# Altium PCB PCB_V0.0.PcbDoc (part 1 of 2) (continued)
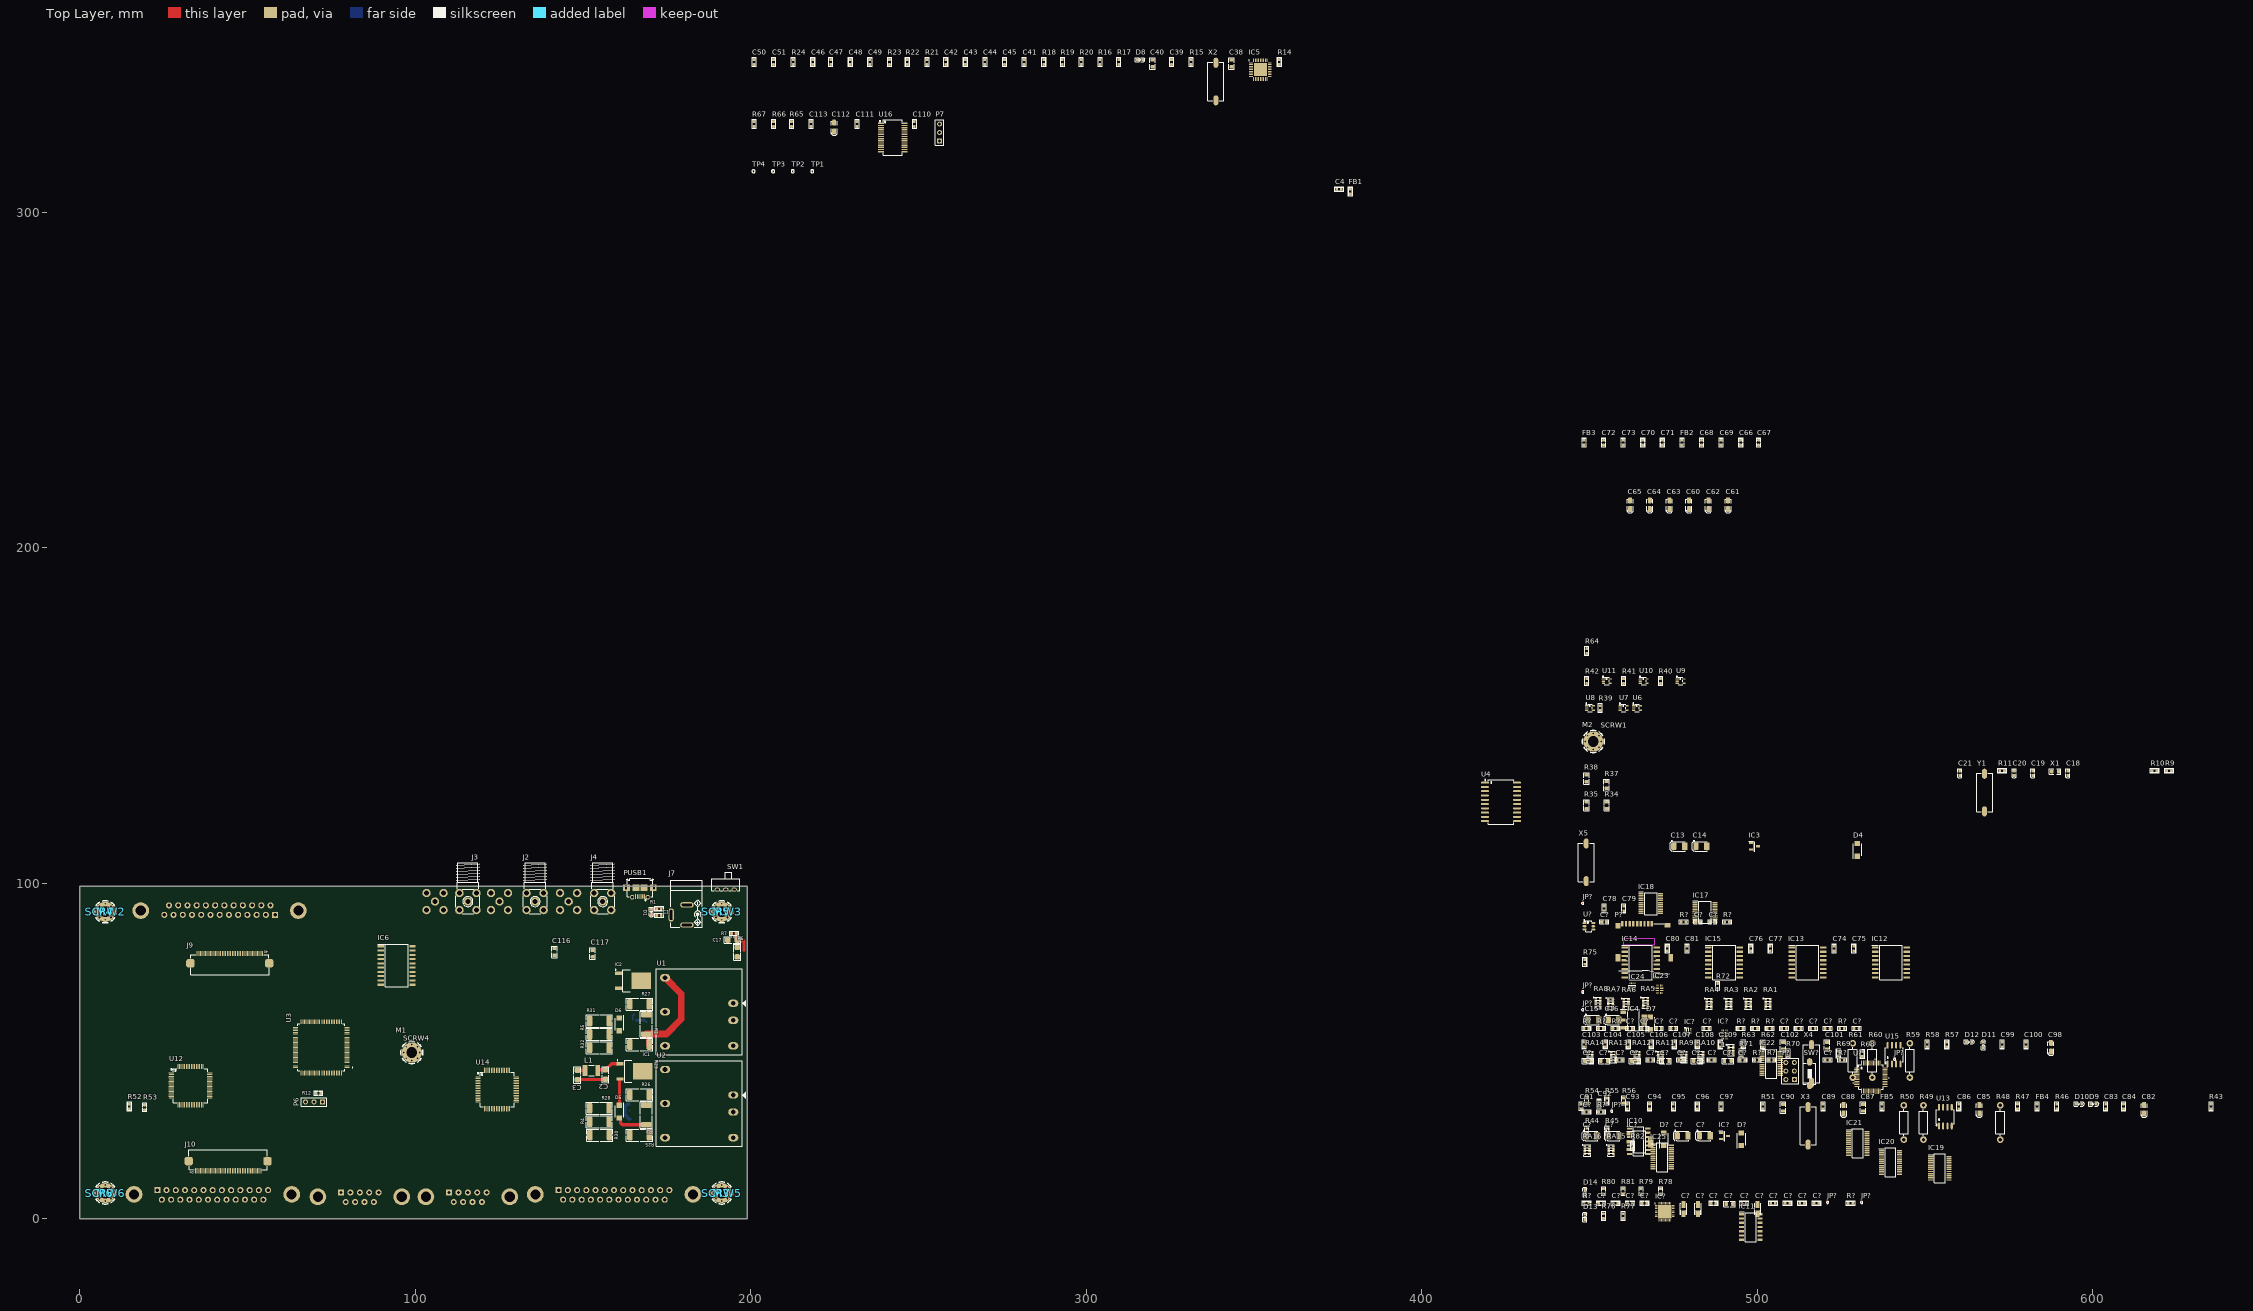
[diagram p0: Top Layer view]
## Components (designator, comment, footprint, x,y, rotation, side; value= is the part's Value field where it differs from the comment) (continued)
IC14 "ADUM1400BRWZ-RL" SOIC127P1032X265-16N 465.319,76.343 r0 top (schematic designator IC18)
IC15 "ADUM1400BRWZ-RL" SOIC127P1032X265-16N 490.186,76.343 r0 top (schematic designator IC20)
IC17 "TMUX1134PWR" SOP65P640X120-20N 484.458,91.281 r0 top (schematic designator IC24)
IC18 "TMUX1134PWR" SOP65P640X120-20N 468.334,93.881 r0 top (schematic designator IC23)
IC19 "SN74LVC8T245DBQR" SOP64P600X175-24N 554.482,14.986 r0 top (schematic designator IC25)
IC20 "SN74LVC8T245DBQR" SOP64P600X175-24N 539.75,16.764 r0 top (schematic designator IC27)
IC21 "SN74LVC8T245DBQR" SOP64P600X175-24N 530.016,22.416 r0 top (schematic designator IC28)
IC22 "SN74LVC8T245DBQR" SOP64P600X175-24N 504.19,46.202 r0 top (schematic designator IC26)
IC23 "TPS2121RUXR" TPS2121RUXR 470.958,68.342 r0 top (schematic designator IC8)
IC24 "TPS2116DRLR" SOTFL50P160X60-8N 462.83,69.358 r90 top (schematic designator IC10)
IC25 "SN74LVC8T245DBQR" SOP64P600X175-24N 471.72,18.304 r0 top (schematic designator IC29)
IC? "ALC5651-CGT" QFN40P500X500X90-41N-D 472.482,2.048 r0 top (schematic designator IC22)
IC? "TPS2116DRLR" SOTFL50P160X60-8N 479.34,55.896 r0 top (schematic designator IC9)
IC? "TPS2121RUXR" TPS2121RUXR 490.262,54.88 r0 top (schematic designator IC7)
IC? "MCP1700T-3302E_TT_1" SOT95P237X112-3N 490.262,24.654 r0 top (schematic designator IC6)
IC? "LD1117S18CTR" SOT230P700X180-4N 465.116,22.876 r0 top (schematic designator IC3)
J1 "Right Angel SMA" SMA_RA 145.732,94.5 r180 bottom (schematic designator J6)
J2 "Right Angel SMA" SMA_RA 135.748,94.5 r0 top (schematic designator J5)
J3 "Right Angel SMA" SMA_RA 115.721,94.5 r0 top (schematic designator J?)
J4 "Right Angel SMA" SMA_RA 155.896,94.5 r0 top (schematic designator J3)
J5 "Right Angel SMA" SMA_RA 125.142,94.5 r180 bottom (schematic designator J2)
J6 "Right Angel SMA" SMA_RA 105.927,94.5 r180 bottom (schematic designator J1)
J7 "DC_POWER_JACK" JAC_PWR2 181,87.5 r0 top locked
J9 "FPC50 40" FPC50_40 44.75,79 r180 top (schematic designator J8)
J10 "FPC50 40" FPC50_40 44.24,14.224 r0 top (schematic designator J9)
JP? "JMPSOLDER" JP_40X50 456.734,32.02 r90 top (schematic designator JP1)
JP? "JMPSOLDER" JP_40X50 531.156,4.842 r90 top (schematic designator JP6)
JP? "JMPSOLDER" JP_40X50 520.996,4.842 r90 top (schematic designator JP5)
JP? "JMPSOLDER" JP_40X50 541.062,47.514 r90 top (schematic designator JP7)
JP? "JMPSOLDER" JP_40X50 448.098,93.996 r90 top (schematic designator JP2)
JP? "JMPSOLDER" JP_40X50 448.098,67.58 r90 top (schematic designator JP4)
JP? "JMPSOLDER" JP_40X50 448.098,62.246 r90 top (schematic designator JP3)
L1 "Inductor SMD NC 1812" L1812 152.532,44.196 r180 top value=1uH (schematic designator L?)
L2 "CD43-4.7uH" CD43NP220MC 183.896,65.125 r0 bottom (schematic designator L?)
L3 "CD43-4.7uH" CD43NP220MC 183.388,39.116 r0 bottom (schematic designator L?)
M1 "DNP/MH" SCMH_M3#1 99,49.5 r0 top (schematic designator M6)
M2 "DNP/MH" SCMH_M3#2 451.19,142.202 r0 top (schematic designator M5)
M3 "DNP/MH" SCMH_M3#3 191.38,7.62 r0 top (schematic designator M4)
M4 "DNP/MH" SCMH_M3#1 7.62,91.44 r0 top (schematic designator M3)
M5 "DNP/MH" SCMH_M3#1 191.38,91.44 r0 top (schematic designator M?)
M6 "DNP/MH" SCMH_M3#1 7.62,7.62 r0 top (schematic designator M1)
P1 "DSUB_25RF" DSUB_25RF 39.688,7.2 r0 bottom
P2 "DSUB_25RF" DSUB_25RF 159.312,7.2 r0 bottom (schematic designator P3)
P3 "DSUB_25RF" DSUB_25RF 41.691,91.8 r180 bottom locked (schematic designator P5)
P4 "DSUB_9RF" DSUB_9RF 115.7,6.5 r0 bottom locked (schematic designator P?)
P5 "DSUB_9RF" DSUB_9RF 83.5,6.5 r0 bottom locked (schematic designator P?)
P6 "Header 3" "HDR 1X3" 72.39,34.798 r180 top
P7 "Header 3" "HDR 1X3" 256.328,321.199 r90 top
P? "Header 2x3" "HDR 2X3" 511.09,41.418 r90 top (schematic designator P9)
P? "ST-TF-003A_1" SUNTECH_ST-TF-003A 465.116,82.566 r0 top (schematic designator P8)
PUSB1 "CONN_USB_MICROAB_TM" USB_MICRO_AB_TM_SHT 167,96 r0 top
R1 "1K" R0603 172.682,92.366 r0 top (schematic designator R5)
R2 "30m" R2512 168.892,57.888 r90 top (schematic designator R4)
R3 "30m" R2512 168.892,30.888 r270 top
R4 "30m" R2512 154.892,28.888 r180 top (schematic designator R?)
R5 "30m" R2512 154.892,54.888 r0 top (schematic designator R2)
R6 "10K" R1206 196,79.4 r270 top (schematic designator R7)
R7 "10E" R0603 195,85 r0 top (schematic designator R6)
R9 "0R" R0603 622.749,133.493 r0 top (schematic designator R18)
R10 "0R" R0603 618.431,133.493 r0 top (schematic designator R19)
R11 "1M" R0603 572.99,133.493 r0 top (schematic designator R22)
R12 "10k" R0603 71.12,37.338 r180 top (schematic designator R20)
R14 "0R" R0603 357.547,344.719 r90 top value=100K (schematic designator R12)
R15 "1M" R0603 331.284,344.719 r90 top (schematic designator R32)
R16 "100K" R0603 304.106,344.719 r90 top (schematic designator R30)
R17 "330E" R0603 309.694,344.719 r90 top (schematic designator R31)
R18 "100K" R0603 287.342,344.719 r90 top (schematic designator R25)
R19 "100K" R0603 292.93,344.719 r90 top (schematic designator R26)
R20 "100K" R0603 298.518,344.719 r90 top (schematic designator R27)
R21 "100K" R0603 252.544,344.719 r90 top (schematic designator R24)
R22 "100K" R0603 246.702,344.719 r90 top (schematic designator R28)
R23 "12.0k    1%" R0603 241.368,344.719 r90 top
R24 "100K" R0603 212.666,344.719 r90 top (schematic designator R29)
R25 "10R" R2512 166.892,24.888 r0 top (schematic designator R36)
R26 "10R" R2512 166.892,36.888 r180 top (schematic designator R34)
R27 "10R" R2512 166.892,63.888 r0 top (schematic designator R38)
R28 "10R" R2512 154.892,32.888 r0 top (schematic designator R40)
R29 "10R" R2512 166.892,51.888 r180 top (schematic designator R37)
R30 "10R" R2512 154.992,24.888 r180 top (schematic designator R39)
R31 "10R" R2512 154.892,58.888 r180 top (schematic designator R35)
R32 "10R" R2512 154.892,50.888 r180 top (schematic designator R33)
R34 "0E" R0805 455.19,123.202 r90 top (schematic designator R42)
R35 "0E" R0805 449.19,123.202 r90 top (schematic designator R41)
R37 "10K" R0805 455.168,129.27 r90 top (schematic designator R44)
R38 "10K" R0805 449.19,131.202 r90 top (schematic designator R43)
R39 "10K" R0603 453.19,152.202 r90 top value=100K (schematic designator R13)
R40 "143E" R0603 471.19,160.202 r90 top (schematic designator R50)
R41 "143E" R0603 460.19,160.202 r90 top (schematic designator R49)
R42 "143E" R0603 449.19,160.202 r90 top (schematic designator R48)
R43 "0R" R0603 635.296,33.442 r90 top (schematic designator R51)
R44 "15K" R0603 449.19,26.202 r90 top (schematic designator R56)
R45 "15K" R0603 455.19,26.202 r90 top (schematic designator R57)
R46 "10E" R0603 589.297,33.442 r90 top (schematic designator R60)
R47 "10E" R0603 577.613,33.442 r90 top (schematic designator R59)
R48 "12K" R025W_AX04 572.482,28.642 r90 top value=10K (schematic designator R62)
R49 "12K" R025W_AX04 549.597,28.642 r90 top value="12K 1%" (schematic designator R58)
R50 "12K" R025W_AX04 543.755,28.642 r90 top value=2K (schematic designator R61)
R51 "15K" R0603 501.718,33.442 r90 top (schematic designator R?)
R52 "10K" R0603 14.769,33.43 r90 top
R53 "0R" R0603 19.341,33.176 r90 top (schematic designator R63)
R54 "15K" R0603 449.19,35.202 r90 top (schematic designator R68)
R55 "15K" R0603 455.19,35.202 r90 top (schematic designator R69)
R56 "15K" R0603 460.19,35.202 r90 top (schematic designator R70)
R57 "10E" R0603 556.531,51.933 r90 top (schematic designator R75)
R58 "10E" R0603 550.689,51.933 r90 top (schematic designator R74)
R59 "12K" R025W_AX04 545.558,47.133 r90 top value=10K (schematic designator R77)
R60 "12K" R025W_AX04 534.357,47.133 r90 top value="12K 1%" (schematic designator R73)
R61 "12K" R025W_AX04 528.515,47.133 r90 top value=2K (schematic designator R76)
R62 "15K" R0603 501.718,51.933 r90 top (schematic designator R67)
R63 "10K" R0603 495.876,51.933 r90 top (schematic designator R66)
R64 "0R" R0603 449.19,169.202 r90 top (schematic designator R78)
R65 "10K" R0603 212.158,326.228 r90 top (schematic designator R80)
R66 "10K" R0603 206.824,326.228 r90 top (schematic designator R79)
R67 "10K" R0603 200.982,326.228 r90 top (schematic designator R81)
R68 "10K" R0603 531.368,49.022 r90 top (schematic designator R84)
R69 "10K" R0603 524.19,49.202 r90 top (schematic designator R82)
R70 "10K" R0603 509.19,49.202 r90 top (schematic designator R85)
R71 "10K" R0603 495.19,49.202 r90 top (schematic designator R83)
R72 "10K" R0603 488.23,69.358 r90 top (schematic designator R16)
R75 "50E" R0603 448.606,76.47 r90 top (schematic designator R47)
R76 "10K" R0603 454.194,0.778 r90 top (schematic designator R54)
R77 "330E" R0603 460.036,0.778 r90 top (schematic designator R55)
R78 "15K" R0603 471.212,8.144 r90 top (schematic designator R64)
R79 "15K" R0603 465.37,8.144 r90 top (schematic designator R65)
R80 "10K" R0603 454.194,8.144 r90 top (schematic designator R71)
R81 "330E" R0603 460.036,8.144 r90 top (schematic designator R72)
R82 "10K" R0603 462.83,21.606 r90 top (schematic designator R86)
R? "10K" R0603 504.232,47.26 r0 top (schematic designator R90)
R? "10k" R0603 525.314,47.26 r0 top (schematic designator R91)
R? "10K" R0603 525.314,56.658 r0 top (schematic designator R17)
R? "10K" R0603 499.914,47.26 r0 top (schematic designator R89)
R? "10K" R0603 527.854,4.588 r0 top (schematic designator R46)
R? "10K" R0603 449.114,4.588 r0 top (schematic designator R45)
R? "10k" R0603 453.432,31.766 r0 top (schematic designator R21)
R? "5K" R0603 449.114,56.658 r0 top (schematic designator R10)
R? "5K" R0603 499.406,56.658 r0 top (schematic designator R11)
R? "0" R0603 491.024,88.408 r0 top (schematic designator R87)
R? "470E" R0603 478.07,88.408 r0 top (schematic designator R88)
R? "10K" R0603 457.75,56.658 r0 top (schematic designator R14)
R? "5K" R0603 503.724,56.658 r0 top (schematic designator R9)
R? "5K" R0603 453.432,56.658 r0 top (schematic designator R8)
R? "10K" R0603 495.088,56.658 r0 top (schematic designator R15)
RA1 "Film Res Pack" RP0603X4 503.242,64.024 r0 top value=100E (schematic designator RA2)
RA2 "Film Res Pack" RP0603X4 497.4,64.024 r0 top value=100K (schematic designator RA6)
RA3 "Film Res Pack" RP0603X4 491.532,64.024 r0 top value=100E (schematic designator RA10)
RA4 "Film Res Pack" RP0603X4 485.69,64.024 r0 top value=100E (schematic designator RA8)
RA5 "Film Res Pack" RP0603X4 466.734,64.33 r0 top value=100E
RA6 "Film Res Pack" RP0603X4 460.976,64.024 r0 top value=100E (schematic designator RA9)
RA7 "Film Res Pack" RP0603X4 456.351,64.124 r0 top value=100E (schematic designator RA12)
RA8 "Film Res Pack" RP0603X4 452.592,64.289 r0 top value=10K (schematic designator RA14)
RA9 "Film Res Pack" RP0603X4 478.19,48.202 r0 top value=100E (schematic designator RA7)
RA10 "Film Res Pack" RP0603X4 483.19,48.202 r0 top value=100E (schematic designator RA11)
RA11 "Film Res Pack" RP0603X4 471.19,48.202 r0 top value=10K
RA12 "Film Res Pack" RP0603X4 464.19,48.202 r0 top value=10K (schematic designator RA13)
RA13 "Film Res Pack" RP0603X4 457.19,48.202 r0 top value=100E (schematic designator RA3)
RA14 "Film Res Pack" RP0603X4 450.19,48.202 r0 top value=100E (schematic designator RA7)
RA15 "Film Res Pack" RP0603X4 456.48,20.336 r0 top value=10K (schematic designator RA16)
RA16 "Film Res Pack" RP0603X4 449.368,20.336 r0 top value=10K (schematic designator RA15)
SCRW1 "SCREW" SCRW_PANH_PHLIPS_M3X5 455.93,142.748 r0 top (schematic designator SCRW6)
SCRW2 "SCREW" SCRW_PANH_PHLIPS_M3X5 7.62,91.44 r0 top (schematic designator SCRW?)
SCRW3 "SCREW" SCRW_PANH_PHLIPS_M3X5 191.38,91.44 r0 top (schematic designator SCRW4)
SCRW4 "SCREW" SCRW_PANH_PHLIPS_M3X5 99,49.5 r0 top (schematic designator SCRW3)
SCRW5 "SCREW" SCRW_PANH_PHLIPS_M3X5 191.38,7.62 r0 top (schematic designator SCRW2)
SCRW6 "SCREW" SCRW_PANH_PHLIPS_M3X5 7.62,7.62 r0 top (schematic designator SCRW1)
SW1 "SlideSwitch" SWSLIDT_SPDT_R_8X4 192.572,98.044 r0 top (schematic designator SW?)
SW? "PUSHBUTTON" SWPBS_SPST_6X3X5 515.662,43.196 r90 top (schematic designator SW2)
TP1 "TESTPOINT_PROBE" TP80D50 218.381,312.182 r90 top value=VALUE (schematic designator TP4)
TP2 "TESTPOINT_PROBE" TP80D50 212.539,312.182 r90 top value=VALUE (schematic designator TP3)
TP3 "TESTPOINT_PROBE" TP80D50 206.697,312.182 r90 top value=VALUE (schematic designator TP2)
TP4 "TESTPOINT_PROBE" TP80D50 200.855,312.182 r90 top value=VALUE (schematic designator TP1)
U1 "MJWI10-24S05" MINMAX_MJWI10 184.654,61.634 r270 top (schematic designator U2)
U2 "MJWI10-24S05" MINMAX_MJWI10 184.658,34.29 r270 top (schematic designator U1)
U3 "STM32H7B0VBT6" QFP50P1600X1600X160-100N 72,51 r180 top locked
U4 "ADM3251" SO_20_W 423.672,124.206 r0 top
U5 "TXB0108" SOG65_20 52,53 r180 bottom
U6 "741G04" SOT353_5 464.19,152.202 r0 top (schematic designator U8)
U7 "741G04" SOT353_5 460.19,152.202 r0 top (schematic designator U6)
U8 "741G04" SOT353_5 450.19,152.202 r0 top (schematic designator U7)
U9 "741G04" SOT353_5 477.19,160.202 r0 top (schematic designator U11)
U10 "741G04" SOT353_5 466.19,160.202 r0 top
U11 "741G04" SOT353_5 455.19,160.202 r0 top (schematic designator U9)
U12 "FT2232HL" QFG50_64 33.02,39.624 r0 top
U13 "AT93C46" SO_8 556.124,30.395 r90 top
U14 "FT2232HL" QFG50_64 124.432,38.466 r0 top
U15 "AT93C46" SO_8 540.834,48.885 r90 top
U16 "FT232RL" SOG65_28_W 242.358,322.24 r0 top
U? "STM32F103" QFG50_48 533.95,42.18 r0 top (schematic designator U18)
U? "TPS22917" SOT23_6 449.876,87.138 r0 top (schematic designator U17)
X1 "XTL_32.768KHz" XTL_2_2012 588.865,133.29 r0 top
X2 "XTL_24MHz" XTL_2_11X5 338.675,338.928 r90 top
X3 "XTL_12MHz" XTL_2_11X5 515.205,27.651 r90 top
X4 "XTL_12MHz" XTL_2_11X5 516.221,46.142 r90 top
X5 "XTL_12MHz" XTL_2_11X5 449.072,106.172 r90 top
Y1 "16MHz" XTL_2_11X5 567.808,126.99 r90 top (schematic designator Y?)

## Footprints (in the part's own frame and the unit in brackets; to place one, negate y for a bottom-side part, rotate by r counter-clockwise, add the part's x,y. Pads: shape width x height; smd on the part's side, far side on the other; paste and mask are expansions set on the pad)
0603 [mm] "1608, 160X80, 1.6x0.8mm (1.75x0.95mm)"
  rrect50% 0.8x0.8 smd paste-5 mask+0.075: 1(-0.7,0) 2(0.7,0)
  silkscreen extent -1.4,-0.7 1.4,0.7, body extent -0.87,-0.48 0.87,0.48, height 0.6
C0603#1 [mm] "CHIP Capacitor, 1.6X0.8mm, 0603 OPTIMIZED"
  rrect50% 0.8x0.8 smd mask+0.075: 1(-0.7,0) 2(0.7,0)
  Top Layer pour cut-out: -0.5,0.4 0.5,0.4 0.5,-0.4 -0.5,-0.4
  silkscreen extent -1.4,-0.7 1.4,0.7, body extent -0.8,-0.4 0.8,0.4, height 0.9
C0603#2 [mm] "CHIP Capacitor, 1.6X0.8mm, 0603 www.smartw.ir"
  rrect50% 1x0.8 smd mask+0.075: 1(-0.7,0) 2(0.7,0)
  silkscreen extent -1.33,-0.6 1.32,0.6, body extent -0.8,-0.4 0.8,0.4, height 0.9
C0805 [mm] "CHIP Capacitor, 2.0X1.3mm, 0805"
  rrect50% 1x1.2 smd paste-0.1 mask+0.075: 1(-1,0) 2(1,0)
  Top Layer pour cut-out: -0.5,0.8 0.5,0.8 0.5,-0.8 -0.5,-0.8
  silkscreen extent -1.7,-0.8 1.7,0.8, body extent -1,-0.63 1,0.63, height 1
C1206#1 [mm] "CHIP Capacitor, 3.2X1.6mm, 1206 www.smartw.ir"
  rrect50% 1.6x1.6 smd mask+0.075: 1(-1.4,0) 2(1.4,0)
  Top Layer pour cut-out: -0.8,1 -0.8,-1 0.8,-1 0.8,1
  silkscreen extent -2.4,-1 2.4,1, body extent -1.6,-0.8 1.6,0.8, height 1
C1206#2 [mm] "CHIP Capacitor, 3.2X1.6mm, 1206"
  rrect50% 1.6x1.6 smd paste-0.1 mask+0.075: 1(-1.4,0) 2(1.4,0)
  Top Layer pour cut-out: -0.8,1 -0.8,-1 0.8,-1 0.8,1
  silkscreen extent -2.4,-1 2.4,1, body extent -1.6,-0.8 1.6,0.8, height 1
C_TN_3216 [mm] "CAPACITOR, TAN A, 1206P, 3.2x1.6mm"
  rrect50% 1.8x1.2 smd mask+0.075: 1(-1.3,0) 2(1.3,0)
  Top Layer pour cut-out: -0.762,0.9 0.762,0.9 0.762,-0.9 -0.762,-0.9
  silkscreen extent -2.4,-0.9 1.7,0.9, body extent -1.7,-0.9 1.7,0.9, height 1.7
C_TN_3528 [mm] "CAPACITOR, TAN B, TAN H, TAN T, TAN M, 3528P, 1210P, 3.5X2.8mm"
  rrect50% 1.6x2.2 smd mask+0.1: 1(-1.6,0)
  rect 1.6x2.2 smd mask+0.1: 2(1.6,0)
  Top Layer pour cut-out: -0.889,1.4 -0.889,-1.4 0.889,-1.4 0.889,1.4
  silkscreen extent -2.7,-1.4 1.8,1.7, body extent -1.85,-1.47 1.85,1.46, height 2.03
Cap_A [mm] "Capacitor, SM Tantalum; Body 3.2 x 1.6 mm (LxW typ) (www.smartw.ir)"
  rect 2x1.2 smd: 1(-1.4,0) 2(1.4,0)
  silkscreen extent -1.7,-0.9 1.7,0.9, body extent -1.7,-0.9 1.7,0.9, height 1.7
Cap_D [mm] "Capacitor, SM Tantalum; Body 7.3 x 4.3 mm (LxW typ) (www.smartw.ir)"
  rect 2.6x2.4 smd: 1(-3.2,0) 2(3.2,0)
  silkscreen extent -4.57,-2.3 3.8,2.43, body extent -3.65,-2.15 3.65,2.15, height 2.8
CD43NP220MC [mm]
  rect 4.5x1.75 smd: 1(0,-1.625) 2(0,1.625)
  silkscreen extent -0.05,-3 0.05,-2.9
D0603 [mm] "DIODE 0603, CDSU101A (Package SOD-523F)"
  rect 0.8x0.8 smd paste-2 mask+0.075: 1(-0.8,0)
  rrect50% 0.8x0.8 smd paste-2 mask+0.075: 2(0.8,0)
  silkscreen extent -1.4,-0.6 1.5,0.6, body extent -0.85,-0.4 0.85,0.4, height 0.56
DIOM5336X244N [mm]
  rect 2.25x2.05 smd: 1(-2.15,0) 2(2.15,0)
  silkscreen extent -3.17,-1.81 2.64,1.81, body extent -2.64,-1.81 2.64,1.81, height 2.44
DSUB_9RF [mm] "CONN, DSUB MINIATURE, 9PIN, R/A, FEMALE"
  rect 1.8x1.8 hole 1 mask+0.1: 1(-5.6,-1.27)
  round 1.8 hole 1 mask+0.1: 2(-2.8,-1.27) 3(0,-1.27) 4(2.8,-1.27) 5(5.6,-1.27) 6(-4.2,1.57) 7(-1.4,1.57) 8(1.4,1.57) 9(4.2,1.57)
  round 5 hole 3: MH1(-12.5,0) MH2(12.5,0)
  silkscreen extent -15.5,-3 15.5,15.8, body extent -15.4,-2.9 15.4,15.6, height 12.8
DSUB_25RF [mm] "CONN, DSUB MINIATURE, 25 WAY, RIGHT-ANGLE, FEMALE"
  rect 1.8x1.8 hole 1 mask+0.1: 1(-16.552,-1.27)
  round 1.8 hole 1 mask+0.1: 2(-13.801,-1.27) 3(-11.049,-1.27) 4(-8.297,-1.27) 5(-5.546,-1.27) 6(-2.794,-1.27) 7(-0.042,-1.27) 8(2.709,-1.27) 9(5.461,-1.27) 10(8.213,-1.27) 11(10.964,-1.27) 12(13.716,-1.27) 13(16.468,-1.27) 14(-15.198,1.57) 15(-12.446,1.57) 16(-9.694,1.57) 17(-6.943,1.57) 18(-4.191,1.57) 19(-1.439,1.57) 20(1.312,1.57) 21(4.064,1.57) 22(6.816,1.57) 23(9.567,1.57) 24(12.319,1.57) 25(15.071,1.57)
  round 5 hole 3: MH1(-23.495,0) MH2(23.495,0)
  silkscreen extent -26.67,-2.96 26.67,18, body extent -26.62,-2.1 26.42,18.7, height 12.58
FPC50_40 [mm] "FPC, pitch: 0.5mm, FH12-40S-0.5SH, molex 54132-4062   (www.Smartw.ir)"
  oval 0.3x1.6 smd mask+0.05: 1(9.75,0) 2(9.25,0) 3(8.75,0) 4(8.25,0) 5(7.75,0) 6(7.25,0) 7(6.75,0) 8(6.25,0) 9(5.75,0) 10(5.25,0) 11(4.75,0) 12(4.25,0) 13(3.75,0) 14(3.25,0) 15(2.75,0) 16(2.25,0) 17(1.75,0) 18(1.25,0) 19(0.75,0) 20(0.25,0) 21(-0.25,0) 22(-0.75,0) 23(-1.25,0) 24(-1.75,0) 25(-2.25,0) 26(-2.75,0) 27(-3.25,0) 28(-3.75,0) 29(-4.25,0) 30(-4.75,0) 31(-5.25,0) 32(-5.75,0) 33(-6.25,0) 34(-6.75,0) 35(-7.25,0) 36(-7.75,0) 37(-8.25,0) 38(-8.75,0) 39(-9.25,0) 40(-9.75,0)
  rrect50% 2.5x2.5 smd: ""(-11.75,2.9) ""(11.75,2.9)
  silkscreen extent -11.7,0.4 11.7,6.3, body extent -12.05,-0.3 12.05,6.1, height 2.09
"HDR 1X3" [mm] "Connector; Header; 3 Position"
  rect 1.5x1.5 hole 0.9: 1(0,0)
  round 1.5 hole 0.9: 2(2.54,0) 3(5.08,0)
  silkscreen extent -1.27,-1.27 6.35,1.27, body extent -1.26,-1.27 6.35,1.26, height 8.51
"HDR 2X3" [mm] "Connector; Header; 2x3 Position"
  rect 1.5x1.5 hole 0.9: 1(0,0)
  round 1.5 hole 0.9: 2(0,2.54) 3(2.54,0) 4(2.54,2.54) 5(5.08,0) 6(5.08,2.54)
  silkscreen extent -1.27,-1.27 6.35,3.81, body extent -1.27,-1.27 6.35,3.81, height 8.51
JAC_PWR2 [mm] "DC POWER JACK, Power Jack KLDX-0202"
  oval 4x1.6 hole 0.8 slot 3 at 0 deg: 1(0,0) 2(0,6)
  oval 1.6x4 hole 0.8 slot 3 at 90 deg: 3(-4.7,3)
  silkscreen extent -4.8,-0.6 4.5,13.4, body extent -4.9,-0.65 4.5,13.85, height 10.8
JP_40X50 [mm] "JUMPER SOLDER 0.4X0.5MM"
  oval 0.2x0.4 smd paste-2 mask+0.05: 1(-0.175,0) 2(0.175,0)
  Top Layer region: 0.175,0.2 0.075,0.2 0.075,-0.2 0.175,-0.2
  Top Layer region: -0.175,0.2 -0.075,0.2 -0.075,-0.2 -0.175,-0.2
  silkscreen extent -0.38,-0.3 0.38,0.3
L0603 [mm] "INDUCTOR, FERRITE BEAD, 0603, 1.6X0.8mm"
  rrect50% 0.8x0.8 smd mask+0.075: 1(-0.7,0) 2(0.7,0)
  silkscreen extent -1.4,-0.7 1.4,0.7, body extent -0.8,-0.4 0.8,0.4, height 0.95
L1812 [mm] "INDUCTOR, 1812, 4.5X3.2mm (www.Smartw.ir)"
  rect 1.4x3.3 smd: 1(-1.9,0) 2(1.9,0)
  silkscreen extent -0.8,-1.55 0.8,1.55, body extent -2.25,-1.6 2.25,1.6, height 1.75
LED0603RED [mm] "LED SMD 0603, RED"
  rect 0.8x0.8 smd paste-5 mask+0.075: 1(-0.8,0)
  rrect50% 0.8x0.8 smd paste-5 mask+0.075: 2(0.8,0)
  silkscreen extent -1.4,-0.6 1.4,0.6, body extent -0.8,-0.4 0.8,0.4, height 0.5
MINMAX_MJWI10 [mm] "DC-DC Module, 25.4X25.4mm, =PDQ15-D"
  oval 2.2x3 hole 1.4: 1(-2.54,10.16) 2(2.54,10.16) 3(-10.16,-10.16) 4(0,-10.16) 5(10.16,-10.16) 6(10.16,10.16)
  silkscreen extent -12.8,-12.8 12.8,13.9, body extent -12.7,-12.7 12.7,12.7, height 10.5
QFG50_48 [mm] "LQFP48, PQFF, PQFG, TSQFP, 48-Leads, Body 7.00x7.00mm, Pitch 0.50mm"
  oval 1.6x0.3 smd mask+0.05: 1(-4.2,2.75) 2(-4.2,2.25) 3(-4.2,1.75) 4(-4.2,1.25) 5(-4.2,0.75) 6(-4.2,0.25) 7(-4.2,-0.25) 8(-4.2,-0.75) 9(-4.2,-1.25) 10(-4.2,-1.75) 11(-4.2,-2.25) 12(-4.2,-2.75) 25(4.2,-2.75) 26(4.2,-2.25) 27(4.2,-1.75) 28(4.2,-1.25) 29(4.2,-0.75) 30(4.2,-0.25) 31(4.2,0.25) 32(4.2,0.75) 33(4.2,1.25) 34(4.2,1.75) 35(4.2,2.25) 36(4.2,2.75)
  oval 0.3x1.6 smd mask+0.05: 13(-2.75,-4.2) 14(-2.25,-4.2) 15(-1.75,-4.2) 16(-1.25,-4.2) 17(-0.75,-4.2) 18(-0.25,-4.2) 19(0.25,-4.2) 20(0.75,-4.2) 21(1.25,-4.2) 22(1.75,-4.2) 23(2.25,-4.2) 24(2.75,-4.2) 37(2.75,4.2) 38(2.25,4.2) 39(1.75,4.2) 40(1.25,4.2) 41(0.75,4.2) 42(0.25,4.2) 43(-0.25,4.2) 44(-0.75,4.2) 45(-1.25,4.2) 46(-1.75,4.2) 47(-2.25,4.2) 48(-2.75,4.2)
  silkscreen extent -5.5,-5.5 5.5,5.5, body extent -4.5,-4.5 4.5,4.5, height 1.6
QFG50_64 [mm] "A64 (CYPRESS), TQFP64, LQFP64, VQ44, VQG44, 10X10mm, Pitch: 0.5mm"
  oval 1.6x0.3 smd mask+0.05: 1(-5.7,3.75) 2(-5.7,3.25) 3(-5.7,2.75) 4(-5.7,2.25) 5(-5.7,1.75) 6(-5.7,1.25) 7(-5.7,0.75) 8(-5.7,0.25) 9(-5.7,-0.25) 10(-5.7,-0.75) 11(-5.7,-1.25) 12(-5.7,-1.75) 13(-5.7,-2.25) 14(-5.7,-2.75) 15(-5.7,-3.25) 16(-5.7,-3.75) 33(5.7,-3.75) 34(5.7,-3.25) 35(5.7,-2.75) 36(5.7,-2.25) 37(5.7,-1.75) 38(5.7,-1.25) 39(5.7,-0.75) 40(5.7,-0.25) 41(5.7,0.25) 42(5.7,0.75) 43(5.7,1.25) 44(5.7,1.75) 45(5.7,2.25) 46(5.7,2.75) 47(5.7,3.25) 48(5.7,3.75)
  oval 0.3x1.6 smd mask+0.05: 17(-3.75,-5.7) 18(-3.25,-5.7) 19(-2.75,-5.7) 20(-2.25,-5.7) 21(-1.75,-5.7) 22(-1.25,-5.7) 23(-0.75,-5.7) 24(-0.25,-5.7) 25(0.25,-5.7) 26(0.75,-5.7) 27(1.25,-5.7) 28(1.75,-5.7) 29(2.25,-5.7) 30(2.75,-5.7) 31(3.25,-5.7) 32(3.75,-5.7) 49(3.75,5.7) 50(3.25,5.7) 51(2.75,5.7) 52(2.25,5.7) 53(1.75,5.7) 54(1.25,5.7) 55(0.75,5.7) 56(0.25,5.7) 57(-0.25,5.7) 58(-0.75,5.7) 59(-1.25,5.7) 60(-1.75,5.7) 61(-2.25,5.7) 62(-2.75,5.7) 63(-3.25,5.7) 64(-3.75,5.7)
  silkscreen extent -5.9,-5.1 5.1,5.1, body extent -6,-6 6,6, height 1.6
QFN40P500X500X90-41N-D [mm]
  rect 0.7x0.2 smd: 1(-2.55,1.8) 2(-2.55,1.4) 3(-2.55,1) 4(-2.55,0.6) 5(-2.55,0.2) 6(-2.55,-0.2) 7(-2.55,-0.6) 8(-2.55,-1) 9(-2.55,-1.4) 10(-2.55,-1.8) 21(2.55,-1.8) 22(2.55,-1.4) 23(2.55,-1) 24(2.55,-0.6) 25(2.55,-0.2) 26(2.55,0.2) 27(2.55,0.6) 28(2.55,1) 29(2.55,1.4) 30(2.55,1.8)
  rect 0.2x0.7 smd: 11(-1.8,-2.55) 12(-1.4,-2.55) 13(-1,-2.55) 14(-0.6,-2.55) 15(-0.2,-2.55) 16(0.2,-2.55) 17(0.6,-2.55) 18(1,-2.55) 19(1.4,-2.55) 20(1.8,-2.55) 31(1.8,2.55) 32(1.4,2.55) 33(1,2.55) 34(0.6,2.55) 35(0.2,2.55) 36(-0.2,2.55) 37(-0.6,2.55) 38(-1,2.55) 39(-1.4,2.55) 40(-1.8,2.55)
  rect 3.95x3.95 smd: 41(0,0)
  silkscreen extent -3,2.3 -2.8,2.5, body extent -2.55,-2.55 2.55,2.55, height 0.9
QFN50P600X600X100-37N-D [mm]
  rect 1.15x0.3 smd: 1(-2.8,2) 2(-2.8,1.5) 3(-2.8,1) 4(-2.8,0.5) 5(-2.8,0) 6(-2.8,-0.5) 7(-2.8,-1) 8(-2.8,-1.5) 9(-2.8,-2) 19(2.8,-2) 20(2.8,-1.5) 21(2.8,-1) 22(2.8,-0.5) 23(2.8,0) 24(2.8,0.5) 25(2.8,1) 26(2.8,1.5) 27(2.8,2)
  rect 0.3x1.15 smd: 10(-2,-2.8) 11(-1.5,-2.8) 12(-1,-2.8) 13(-0.5,-2.8) 14(0,-2.8) 15(0.5,-2.8) 16(1,-2.8) 17(1.5,-2.8) 18(2,-2.8) 28(2,2.8) 29(1.5,2.8) 30(1,2.8) 31(0.5,2.8) 32(0,2.8) 33(-0.5,2.8) 34(-1,2.8) 35(-1.5,2.8) 36(-2,2.8)
  rect 3.85x3.85 smd: 37(0,0)
  silkscreen extent -3.5,2.63 -3.25,2.87, body extent -3.05,-3.05 3.05,3.05, height 1
QFP50P1600X1600X160-100N [mm]
  rrect25% 1.47x0.28 smd: 1(-7.67,6) 2(-7.67,5.5) 3(-7.67,5) 4(-7.67,4.5) 5(-7.67,4) 6(-7.67,3.5) 7(-7.67,3) 8(-7.67,2.5) 9(-7.67,2) 10(-7.67,1.5) 11(-7.67,1) 12(-7.67,0.5) 13(-7.67,0) 14(-7.67,-0.5) 15(-7.67,-1) 16(-7.67,-1.5) 17(-7.67,-2) 18(-7.67,-2.5) 19(-7.67,-3) 20(-7.67,-3.5) 21(-7.67,-4) 22(-7.67,-4.5) 23(-7.67,-5) 24(-7.67,-5.5) 25(-7.67,-6) 51(7.67,-6) 52(7.67,-5.5) 53(7.67,-5) 54(7.67,-4.5) 55(7.67,-4) 56(7.67,-3.5) 57(7.67,-3) 58(7.67,-2.5) 59(7.67,-2) 60(7.67,-1.5) 61(7.67,-1) 62(7.67,-0.5) 63(7.67,0) 64(7.67,0.5) 65(7.67,1) 66(7.67,1.5) 67(7.67,2) 68(7.67,2.5) 69(7.67,3) 70(7.67,3.5) 71(7.67,4) 72(7.67,4.5) 73(7.67,5) 74(7.67,5.5) 75(7.67,6)
  rrect25% 0.28x1.47 smd: 26(-6,-7.67) 27(-5.5,-7.67) 28(-5,-7.67) 29(-4.5,-7.67) 30(-4,-7.67) 31(-3.5,-7.67) 32(-3,-7.67) 33(-2.5,-7.67) 34(-2,-7.67) 35(-1.5,-7.67) 36(-1,-7.67) 37(-0.5,-7.67) 38(0,-7.67) 39(0.5,-7.67) 40(1,-7.67) 41(1.5,-7.67) 42(2,-7.67) 43(2.5,-7.67) 44(3,-7.67) 45(3.5,-7.67) 46(4,-7.67) 47(4.5,-7.67) 48(5,-7.67) 49(5.5,-7.67) 50(6,-7.67) 76(6,7.67) 77(5.5,7.67) 78(5,7.67) 79(4.5,7.67) 80(4,7.67) 81(3.5,7.67) 82(3,7.67) 83(2.5,7.67) 84(2,7.67) 85(1.5,7.67) 86(1,7.67) 87(0.5,7.67) 88(0,7.67) 89(-0.5,7.67) 90(-1,7.67) 91(-1.5,7.67) 92(-2,7.67) 93(-2.5,7.67) 94(-3,7.67) 95(-3.5,7.67) 96(-4,7.67) 97(-4.5,7.67) 98(-5,7.67) 99(-5.5,7.67) 100(-6,7.67)
  silkscreen extent -9.44,-7 7,7, body extent -8,-8 8,8, height 0.72
R025W_AX04 [mm] "RESISTOR 1/4 WATT, AXIAL0.4"
  round 2 hole 1: 1(-5.1,0) 2(5.1,0)
  silkscreen extent -3.9,-1.3 3.9,1.3, body extent -5.38,-1.28 5.38,1.28, height 2.6
R0603 [mm] "CHIP Resistor 1/10 WATT, 1.6x0.8mm, 0603, OPTIMIZED"
  rrect50% 0.8x0.8 smd mask+0.075: 1(-0.7,0) 2(0.7,0)
  Top Layer pour cut-out: -0.5,0.4 0.5,0.4 0.5,-0.4 -0.5,-0.4
  silkscreen extent -1.4,-0.7 1.4,0.7, body extent -0.85,-0.4 0.85,0.4, height 0.56
R0805 [mm] "CHIP RESISTOR 1/8 WATT ,2.0X1.3mm, 0805, 2012"
  rrect50% 1x1.2 smd paste-0.1 mask+0.075: 1(-1,0) 2(1,0)
  Top Layer pour cut-out: -0.5,0.8 0.5,0.8 0.5,-0.8 -0.5,-0.8
  silkscreen extent -1.7,-0.8 1.7,0.8, body extent -1.15,-0.67 1.15,0.68, height 0.76
R1206 [mm] "CHIP RESISTOR 1/4 WATT, Body 3.2x1.6mm,1206, 3216"
  rrect50% 1.6x1.6 smd paste-0.1 mask+0.075: 1(-1.4,0) 2(1.4,0)
  Top Layer pour cut-out: -0.8,1 -0.8,-1 0.8,-1 0.8,1
  silkscreen extent -2.4,-1 2.4,1, body extent -1.67,-0.86 1.68,0.87, height 0.85
R2512 [mm] "CHIP RESISTOR 1 WATT, 6.4X3.2mm, 2512, 6432"
  rrect50% 1.6x3.2 smd: 1(-2.9,0) 2(2.9,0)
  Top Layer pour cut-out: -2.4,1.9 2.4,1.9 2.4,-1.9 -2.4,-1.9
  silkscreen extent -3.9,-1.8 3.9,1.8, body extent -3.17,-1.5 3.18,1.5, height 1.6
RP0603X4 [mm] "RPACK, 0603X4, 160X80X4 1206, 742C083, EXBV8V"
  oval 0.8x0.5 smd paste-0.05 mask+0.075: 1(-0.7,1.2) 2(-0.7,0.4) 3(-0.7,-0.4) 4(-0.7,-1.2) 5(0.7,-1.2) 6(0.7,-0.4) 7(0.7,0.4) 8(0.7,1.2)
  silkscreen extent -1.5,-1.7 1,1.7, body extent -0.8,-1.6 0.8,1.6, height 0.5
SCMH_M3#1 [mm] "SCREW mouting, M3, 3.0mm diameter and 6.0mm PanHead"
  round 6 / inner round 3.5 / far side round 10 hole 3.2 mask+0.1: 1(0,0)
  Top Layer pour cut-out: 0,3.5 -1.339,3.234 -2.475,2.475 -3.234,1.339 -3.5,0 -3.5,0 -3.234,-1.339 -2.475,-2.475 -1.339,-3.234 0,-3.5 0,-3.5 1.75,-3.031 3.031,-1.75 3.5,0 3.5,0 3.234,1.339 2.475,2.475 1.339,3.234 0,3.5
  Bottom Layer pour cut-out: 0,3.5 -1.339,3.234 -2.475,2.475 -3.234,1.339 -3.5,0 -3.5,0 -3.234,-1.339 -2.475,-2.475 -1.339,-3.234 0,-3.5 0,-3.5 1.75,-3.031 3.031,-1.75 3.5,0 3.5,0 3.234,1.339 2.475,2.475 1.339,3.234 0,3.5
  silkscreen extent -3.3,-3.3 3.3,3.3
SCMH_M3#2 [mm] "SCREW mouting, M3, 3.0mm diameter and 6.0mm PanHead"
  round 6 / inner round 3.5 / far side round 6 hole 3.2 mask+0.1: 1(0,0)
  Top Layer pour cut-out: 0,3.5 -1.339,3.234 -2.475,2.475 -3.234,1.339 -3.5,0 -3.5,0 -3.234,-1.339 -2.475,-2.475 -1.339,-3.234 0,-3.5 0,-3.5 1.75,-3.031 3.031,-1.75 3.5,0 3.5,0 3.234,1.339 2.475,2.475 1.339,3.234 0,3.5
  Bottom Layer pour cut-out: 0,3.5 -1.339,3.234 -2.475,2.475 -3.234,1.339 -3.5,0 -3.5,0 -3.234,-1.339 -2.475,-2.475 -1.339,-3.234 0,-3.5 0,-3.5 1.75,-3.031 3.031,-1.75 3.5,0 3.5,0 3.234,1.339 2.475,2.475 1.339,3.234 0,3.5
  silkscreen extent -3.3,-3.3 3.3,3.3
SCMH_M3#3 [mm] "SCREW mouting, M3, 3.0mm diameter and 6.0mm PanHead"
  round 6 / inner round 3.5 / far side round 10 hole 3.2 mask+0.1: 3(0,0)
  Top Layer pour cut-out: 0,3.5 -1.339,3.234 -2.475,2.475 -3.234,1.339 -3.5,0 -3.5,0 -3.234,-1.339 -2.475,-2.475 -1.339,-3.234 0,-3.5 0,-3.5 1.75,-3.031 3.031,-1.75 3.5,0 3.5,0 3.234,1.339 2.475,2.475 1.339,3.234 0,3.5
  Bottom Layer pour cut-out: 0,3.5 -1.339,3.234 -2.475,2.475 -3.234,1.339 -3.5,0 -3.5,0 -3.234,-1.339 -2.475,-2.475 -1.339,-3.234 0,-3.5 0,-3.5 1.75,-3.031 3.031,-1.75 3.5,0 3.5,0 3.234,1.339 2.475,2.475 1.339,3.234 0,3.5
  silkscreen extent -3.3,-3.3 3.3,3.3
SCRW_PANH_PHLIPS_M3X5 [mm] "SCREW, M3, 3.0mm diameter and 6.0mm PanHead, Phillips, 5mm Length"
  body extent -2.74,-2.75 2.74,2.75, height 2.28
SMA_RA [mm] "CONN, RF, COAX, SMA, RIGHT ANGLE THD"
  round 2.5 hole 1.5: 1(0,0) 2(-2.54,-2.54) 3(2.54,-2.54) 4(2.54,2.54) 5(-2.54,2.54)
  silkscreen extent -3.6,-3.6 3.6,11.6, body extent -3.5,-3.54 3.5,11.56, height 10.26
SO_8 [mm] "SOP-8, 5x3.9mm body 1.27mm pitch, SOT96-1, M08A, S8, SOIC8, VO8, MS-012AA(JEDEC), R-8, 8S2, VOG8"
  oval 2x0.6 smd: 1(-2.8,1.905) 2(-2.8,0.635) 3(-2.8,-0.635) 4(-2.8,-1.905) 5(2.8,-1.905) 6(2.8,-0.635) 7(2.8,0.635) 8(2.8,1.905)
  silkscreen extent -2.8,-2.7 2.1,2.8, body extent -3,-2.45 3,2.45, height 1.7
SO_20_W [mm] "SOP, SOIC, 7.5mm width, 1.27mm pitch,"
  oval 2.4x0.6 smd: 1(-4.8,5.715) 2(-4.8,4.445) 3(-4.8,3.175) 4(-4.8,1.905) 5(-4.8,0.635) 6(-4.8,-0.635) 7(-4.8,-1.905) 8(-4.8,-3.175) 9(-4.8,-4.445) 10(-4.8,-5.715) 11(4.8,-5.715) 12(4.8,-4.445) 13(4.8,-3.175) 14(4.8,-1.905) 15(4.8,-0.635) 16(4.8,0.635) 17(4.8,1.905) 18(4.8,3.175) 19(4.8,4.445) 20(4.8,5.715)
  silkscreen extent -4.9,-6.6 3.8,6.7, body extent -5.33,-6.5 5.33,6.5, height 2.65
SODFL4626X110N [mm]
  rect 1.53x1.63 smd: 1(-1.9,0) 2(1.9,0)
  silkscreen extent -2.67,-1.28 1.75,1.28, body extent -2.32,-1.28 2.32,1.28, height 1.1
SOG65_20 [mm] "PW TSSOP (TI), MO-153-AC (JEDEC), 20Lead, pitch: 0.65mm, 6.5x4.4x1.2mm"
  oval 1.8x0.4 smd mask+0.075: 1(-2.9,2.925) 2(-2.9,2.275) 3(-2.9,1.625) 4(-2.9,0.975) 5(-2.9,0.325) 6(-2.9,-0.325) 7(-2.9,-0.975) 8(-2.9,-1.625) 9(-2.9,-2.275) 10(-2.9,-2.925) 11(2.9,-2.925) 12(2.9,-2.275) 13(2.9,-1.625) 14(2.9,-0.975) 15(2.9,-0.325) 16(2.9,0.325) 17(2.9,0.975) 18(2.9,1.625) 19(2.9,2.275) 20(2.9,2.925)
  silkscreen extent -3.1,-3.4 2.4,3.7, body extent -3.2,-3.25 3.2,3.25, height 1.2
SOG65_28_W [mm] "SOP, 28-Leads, Body 10.6x5.6mm (max), Pitch 0.65mm"
  oval 1.8x0.4 smd mask+0.075: 1(-3.5,4.225) 2(-3.5,3.575) 3(-3.5,2.925) 4(-3.5,2.275) 5(-3.5,1.625) 6(-3.5,0.975) 7(-3.5,0.325) 8(-3.5,-0.325) 9(-3.5,-0.975) 10(-3.5,-1.625) 11(-3.5,-2.275) 12(-3.5,-2.925) 13(-3.5,-3.575) 14(-3.5,-4.225) 15(3.5,-4.225) 16(3.5,-3.575) 17(3.5,-2.925) 18(3.5,-2.275) 19(3.5,-1.625) 20(3.5,-0.975) 21(3.5,-0.325) 22(3.5,0.325) 23(3.5,0.975) 24(3.5,1.625) 25(3.5,2.275) 26(3.5,2.925) 27(3.5,3.575) 28(3.5,4.225)
  silkscreen extent -4.01,-5.3 2.8,5.3, body extent -3.88,-5.17 3.88,5.16, height 2.16